# Altium PCB SHM.PcbDoc (part 2 of 3)
Units mil, origin at the board's own origin, x right, y up, seen from the top; angles counter-clockwise.
Board outline 4470 x 4125 mil, 4 copper layers (Top Layer, Ground plane, Power plane, Bottom Layer), stack 23.756 mil thick; 156 components, 117 nets, 776 pads, 684 vias.
Unrouted connection lines stored in the file: 45.
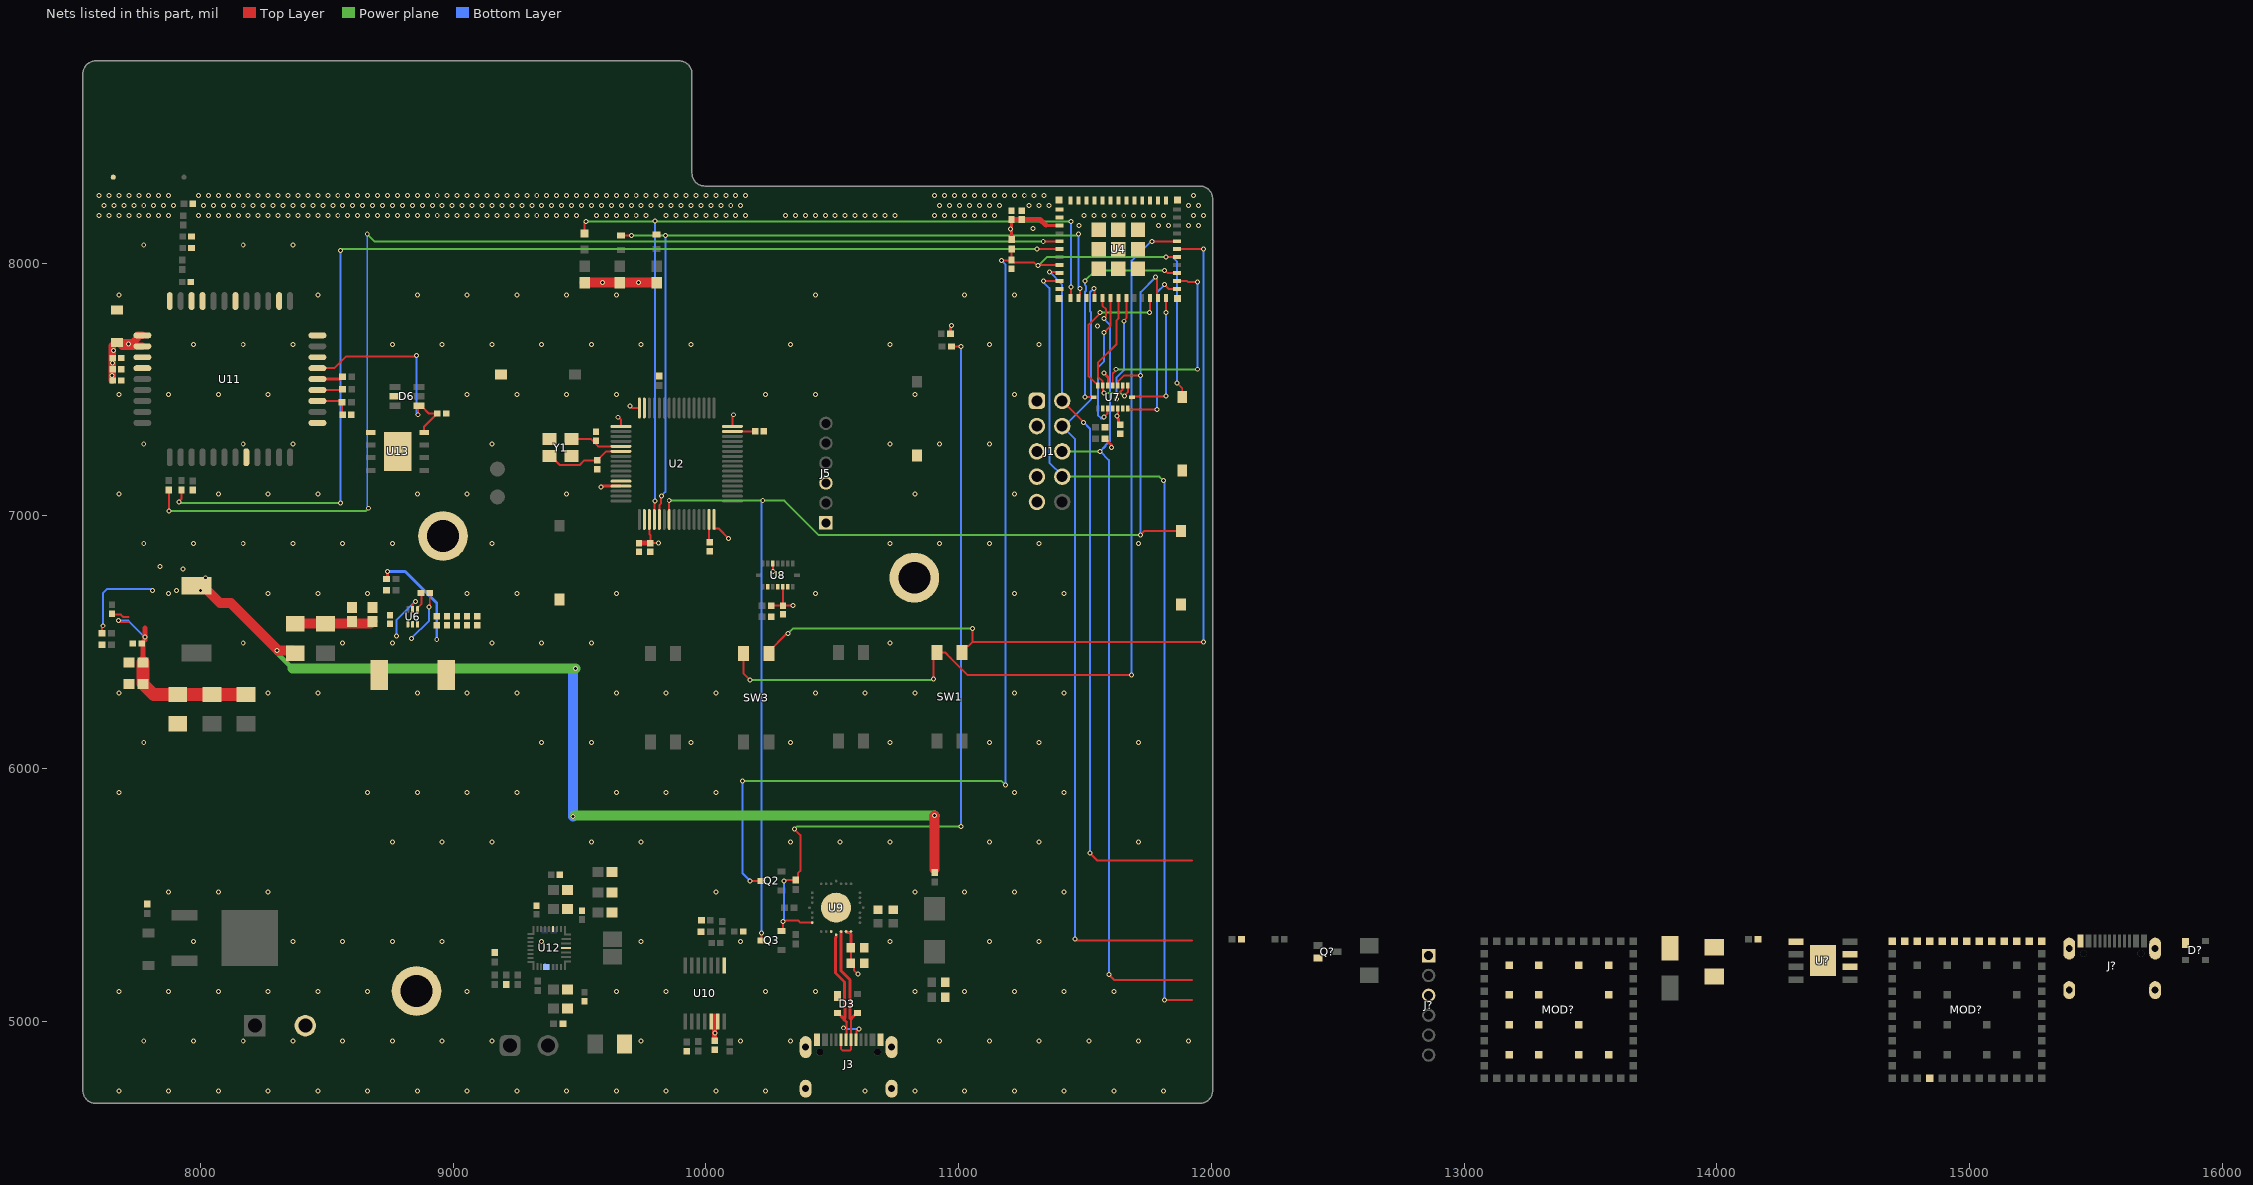
[diagram p4: the nets of this part, all layers, seen from the top]

## Part data
C10 C16 C17 C26 C28 C29 C34 C37 C38 C39 C44 C45 C46 C51 C56 C59 C60 C61 C62 C63 C68: library part CMP-1662-00020-1, LCSC_PN=C77020, ComponentLink1Description="Manufacturer URL", ComponentLink1URL=http://www.murata.com/, ComponentLink2Description=Datasheet, ComponentLink2URL=http://psearch.en.murata.com/capacitor/product/GRM155R60J105KE19%23.pdf
C11 C30 C31 C32 C33 C50 C65: library part CMP-1662-00020-1, LCSC_PN=C77000, ComponentLink1Description="Manufacturer URL", ComponentLink1URL=http://www.murata.com/, ComponentLink2Description=Datasheet, ComponentLink2URL=http://psearch.en.murata.com/capacitor/product/GRM155R60J105KE19%23.pdf
C13 C14: library part CMP-1662-00020-1, LCSC_PN=C513681, ComponentLink1Description="Manufacturer URL", ComponentLink1URL=http://www.murata.com/, ComponentLink2Description=Datasheet, ComponentLink2URL=http://psearch.en.murata.com/capacitor/product/GRM155R60J105KE19%23.pdf
C15 C27 C49: library part CMP-1662-00020-1, LCSC_PN=C77009, ComponentLink1Description="Manufacturer URL", ComponentLink1URL=http://www.murata.com/, ComponentLink2Description=Datasheet, ComponentLink2URL=http://psearch.en.murata.com/capacitor/product/GRM155R60J105KE19%23.pdf
C18: library part CMP-1662-00020-1, LCSC_PN=C60133, ComponentLink1Description="Manufacturer URL", ComponentLink1URL=http://www.murata.com/, ComponentLink2Description=Datasheet, ComponentLink2URL=http://psearch.en.murata.com/capacitor/product/GRM155R60J105KE19%23.pdf
C24 C25 C35 C36 C53 C54 C55 C57 C58 C70 C71: library part CMP-06035-022879-1, LCSC_PN=C91606
C40 C43 C48: library part CMP-121364-8, "10uF 0603 X5R 6.3V", Capacitance=10uF, Dielectric carachteristic=X5R, LCSC_PN=C91606, Package=0603, Rated voltage=6v3
C41 C42 C47: library part CMP-c41a0d2b65641bdd-3, Capacitance="100 nF", Dielectric Characteristic=X7R, LCSC_PN=C113803, Manufacturar Part Number=CC0603KRX7R0BB104, Package=0603, Rated voltage=100V
C52 C67: library part CMP-1662-00020-1, LCSC_PN=C33149, ComponentLink1Description="Manufacturer URL", ComponentLink1URL=http://www.murata.com/, ComponentLink2Description=Datasheet, ComponentLink2URL=http://psearch.en.murata.com/capacitor/product/GRM155R60J105KE19%23.pdf
C64 C69: library part CMP-1662-00020-1, LCSC_PN=C272875, ComponentLink1Description="Manufacturer URL", ComponentLink1URL=http://www.murata.com/, ComponentLink2Description=Datasheet, ComponentLink2URL=http://psearch.en.murata.com/capacitor/product/GRM155R60J105KE19%23.pdf
C66: library part CMP-1662-00020-1, LCSC_PN=C106205, ComponentLink1Description="Manufacturer URL", ComponentLink1URL=http://www.murata.com/, ComponentLink2Description=Datasheet, ComponentLink2URL=http://psearch.en.murata.com/capacitor/product/GRM155R60J105KE19%23.pdf
C?: library part CMP-1662-00011-2, "Chip Capacitor, 100 uF, +/- 20%, 6.3 V, -55 to 85 degC, 1206 (3216 Metric), RoHS, Tape and Reel", Capacitance="100 uF", Case Code (Imperial)=1206, Case Code (Metric)=3216, LCSC_PN=C77085, Max Operating Temperature="85 degC", Min Operating Temperature="-55 degC", Package Quantity=2000, PartNumber=GRM31CR60J107ME39L, Tolerance=20%, Type (Capacitors)=X5R, Voltage Rating="6.3 V", Case\/Package=1206, ComponentLink1Description="Manufacturer URL", ComponentLink1URL=http://www.murata.com/, ComponentLink2Description=Datasheet, ComponentLink2URL=http://psearch.en.murata.com/capacitor/product/GRM31CR60J107ME39%23.pdf, DatasheetVersion=09/2016, Height="1.6 mm", Length="3.2 mm", Mount="Surface Mount", Mounting Technology="Surface Mount", PackageDescription="2-Pin Surface Mount Device, Body 3.2 x 1.6 mm", PackageReference=1206, Packaging="Tape and Reel", Pins=2, Radiation Hardening=No, REACH SVHC="No SVHC", RoHSCompliant=true, Voltage Rating (DC)="6.3 V", Width="1.6 mm"
D2: library part CMP-1060-00410-1, "Zener Voltage Regulator, 500 mW, 2-Pin SOD-123, Pb-Free, Tape and Reel", LCSC_PN=C236094, Manufacturer="On Semiconductor", ComponentLink1Description="Manufacturer URL", ComponentLink1URL=http://www.onsemi.com/, ComponentLink2Description=Datasheet, ComponentLink2URL=http://www.onsemi.com/pub_link/Collateral/MMSZ2V4T1-D.PDF, ComponentLink3Description="Package Specification", ComponentLink3URL=http://www.onsemi.com/pub_link/Collateral/425-04.PDF, DatasheetVersion="Rev. 11", Mounting Technology="Surface Mount", P Max (W)=0.5, PackageDescription="2-Pin SOD, Body 1.6 x 2.69 mm", PackageReference=SOD-123-2-425-04, PackageVersion="Rev. G, 10/2009", Packing="Tape and Reel", PartNumber=MMSZ10T1G, RoHS=Pb-Free
D3 D?: library part CMP-14436-000007-1, "TVS DIODE 5.5V SOT143B", LCSC_PN=C12333
D4: "Diode", LCSC_PN=C47524, Manufacturer_Name="SMC Diode Solutions", Datasheet Link=http://www.smc-diodes.com/propdf/S3AB-S3MB%20N0563%20REV.B.pdf, Height=2.6mm, Manufacturer_Part_Number=S3MBTR
D5: library part CMP-1060-00573-1, "Zener Voltage Regulator, 500 mW, 2-Pin SOD-123, Pb-Free, Tape and Reel", LCSC_PN=C2759896, Manufacturer="On Semiconductor", ComponentLink1Description="Manufacturer URL", ComponentLink1URL=http://www.onsemi.com/, ComponentLink2Description=Datasheet, ComponentLink2URL=http://www.onsemi.com/pub_link/Collateral/MMSZ5221BT1-D.PDF, ComponentLink3Description="Package Specification", ComponentLink3URL=http://www.onsemi.com/pub_link/Collateral/425-04.PDF, DatasheetVersion="Rev. 12", Mounting Technology="Surface Mount", P Max (W)=0.5, PackageDescription="2-Pin SOD, Body 1.6 x 2.69 mm", PackageReference=SOD-123-2-425-04, PackageVersion="Rev. G, 10/2009", Packing="Tape and Reel", PartNumber=MMSZ5231BT1G, RoHS=Pb-Free, VZ Typ (V)=5.1
D6: library part CMP-924f5b40f9684d88-1, "ESDA Series 5 Channel 6.1 V 50 pF SMT Uni Directional Transil Array - SOT-23-6L", Breakdown Voltage="7.20 V", Case/Package=SOT-23, LCSC_PN=C6650, Operating Voltage="6.10 V", Power Rating="100 W", Lead-Free Status="Lead Free", Lifecycle Status=Active, Manufacturer Part Number=ESDA6V1-5SC6, Mounting Style="Surface Mount", Number of Pins=6, Octopart URL=http://octopart.com/esda6v1-5sc6-stmicroelectronics-347713, OctopartID=924f5b40f9684d88, Packaging="Tape & Reel (TR), Cut Tape (CT)", REACH SVHC Compliance="No SVHC", RoHS=Compliant, Size-Height="1.45 mm", Size-Length="3.05 mm", Size-Width="1.75 mm", TME=ESDA6V1-5SC6, Voltage Rating (DC)="6.10 V"
D?: library part CMP-1667-00003-3, "DIODE SCHOTTKY 40V 3A SMA", Average Rectified Current=3A, Capacitance=250pF, Case/Package=SMA, Forward Voltage=500mV, Max Forward Surge Current (Ifsm)=80A, Max Operating Temperature=125°C, Max Repetitive Reverse Voltage (Vrrm)=40V, Max Reverse Current=500uA, Min Operating Temperature=-55°C, Package Quantity=5000, Contact Plating=Tin, Current=3A, Current Rating=3A, Element Configuration=Single, Forward Current=3A, Height=2.3mm, Lead Free="Lead Free", Length=4.6mm, Max Reverse Voltage (DC)=40V, Mount="Surface Mount", Number of Pins=2, Output Current=3A, Packaging="Tape and Reel", Peak Non-Repetitive Surge Current=80A, Polarity=Standard, Radiation Hardening=No, REACH SVHC="No SVHC", RoHS Compliant=Yes, Series=-, Termination=SMD/SMT, Voltage=40V, Voltage Rating (DC)=40V, Weight=0.002258oz, Width=2.92mm
J1: library part CMP-1502-01084-2, Color=Black, Contact Resistance=20mΩ, Current Rating=3A, Flammability Rating="UL94 V-0", Insulation Resistance=1GΩ, LCSC_PN=C7501289, Max Operating Temperature=105°C, Min Operating Temperature=-40°C, Operating Supply Voltage=250V, Connector Type="Male Pin", Contact Gender=Male, Contact Material=Copper, Contact Mating Length=5.9944mm, Contact Plating=Gold, Gender=Male, Height=2.54mm, Housing Material=PBT, Insulation=Insulated, Lead Pitch=2.54mm, Length=12.7mm, Mount="Through Hole", NexarPartId=18818163, Number of Contacts=10, Number of Pins=10, Number of Positions=10, Number of Rows=2, Orientation=Vertical, Packaging=Bulk, Pitch=2.54mm, REACH SVHC=Unknown, RoHS=Compliant, Row Spacing=2.54mm, Termination="Through Hole", Voltage Rating=250V, Width=12.7mm
J2: library part CMP-09399-000010-1, "TERM BLOCK HDR 2POS 90DEG 5.08MM", Color=Grey, Current=15A, Current Rating=12A, Flammability Rating="UL94 V-0", Housing Color=Green, LCSC_PN=C90074, Package Quantity=50, Voltage=300V, Voltage Rating=250V, Voltage Rating (DC)=320V, Approvals=UL, Connector Type=Plug, Contact Material=Tin, Contact Plating=Tin, Depth=12mm, Gender=Male, Height=12.08mm, Housing Material=PBT, Lead Free="Lead Free", Length=12.16mm, Max Current Rating=12A, Mount="Through Hole", Number of Contacts=2, Number of Levels=1, Number of Poles=2, Number of Positions=2, Number of Positions Per Level=2, Number of Rows=1, Orientation="Right Angle", Packaging=Bulk, Pitch=5.08mm, REACH SVHC="No SVHC", RoHS Compliant=Yes, Series=MSTBA, Termination=Solder, Weight=5.396916oz, Width=12.1mm
J3 J?: BOM_JLCPCB Part Class="Extended Part", BOM_Manufacturer="XKB Enterprise", LCSC_PN=C319148, BOM_Manufacturer Part=U262-16XN-4BVC11, BOM_Supplier=LCSC, BOM_Supplier Part=C319148, Contributor=LCSC, spicePre=U, spiceSymbolName=U262-16XN-4BVC11
J4: library part CMP-1502-01886-2, Color=Green, Current=10A, LCSC_PN=C5188157, Max Operating Temperature=105°C, Min Operating Temperature=-40°C, Voltage=300V, Contact Material=Brass, Contact Plating=Tin, Current Rating=10A, Gender=Male, Height=7.2mm, Lead Pitch=3.81mm, Length=10.5mm, Mount="Through Hole", NexarPartId=8917777, Number of Contacts=2, Number of Levels=1, Number of Pins=2, Number of Positions Per Level=2, Number of Rows=1, Packaging=Box, Pitch=3.81mm, REACH SVHC=Unknown, RoHS=Compliant, Termination=Solder, Voltage Rating=300V, Width=9.01mm
J5 J?: "Connector", Arrow Part Number="B6B-PH-K-S (LF)(SN)", LCSC_PN=C131342, Manufacturer_Name="JST (JAPAN SOLDERLESS TERMINALS)", Arrow Price/Stock=https://www.arrow.com/en/products/b6b-ph-k-s-lf-sn/jst-manufacturing, Datasheet Link=https://www.jst-mfg.com/product/pdf/eng/ePH.pdf, Height=6mm, Manufacturer_Part_Number="B6B-PH-K-S (LF)(SN)"
L2: library part CMP-06042-006799-1, "3.45A 4.7uH ±20% SMD,8x8mm Power Inductors ROHS", Case/Package=SMD/SMT, Current Rating=6.8A, DC Resistance (DCR)=14.4mR, Inductance=3.3uH, LCSC_PN=C514864, Resistor Type=Wirewound, Saturation Current=7.7A, Test Frequency=100kHz, Tolerance=30%, Core Material=Ferrite, Height - Seated (Max)=0.177inch, Length=0.315inch, Max DC Current=6.8A, Mount="Surface Mount", Number of Pins=2, Packaging="Tape and Reel", Shielding=Shielded, Width=0.315inch
L3: library part CMP-06042-006799-1, "Shielded Wirewound Inductor 3.3uH 30% 6800mA 0.0144Ω SMD", Case/Package=SMD/SMT, Current Rating=6.8A, DC Resistance (DCR)=14.4mR, Inductance=3.3uH, LCSC_PN=C514864, Resistor Type=Wirewound, Saturation Current=7.7A, Test Frequency=100kHz, Tolerance=30%, Core Material=Ferrite, Height - Seated (Max)=0.177inch, Length=0.315inch, Max DC Current=6.8A, Mount="Surface Mount", Number of Pins=2, Packaging="Tape and Reel", Shielding=Shielded, Width=0.315inch
L4: library part CMP-06042-011635-1, "Shielded Wirewound Inductor 1uH 20% 2900mA 0.048Ω 0806 (2016)", Inductance=1uH, LCSC_PN=C521238
LED1: library part CMP-1666-00027-1, "LED, RED, 2.1 V, -40 to 100 degC, 2-Pin SMD (0603), RoHS, Tape and Reel", Capacitance="12 pF", Case Code (Imperial)=0603, Case Code (Metric)=1608, LCSC_PN=C510294, Max Operating Temperature=125degC, Min Operating Temperature=-55degC, Package Quantity=4000, Resistance="100000000000 Ohm", Tolerance=5%, Type (Capacitors)=C0G, Voltage Rating="50 V", Case/Package=0603, ComponentLink1Description="Manufacturer URL", ComponentLink1URL=http://www.vishay.com/, ComponentLink2Description=Datasheet, ComponentLink2URL=http://www.vishay.com/docs/83173/tlmb1100.pdf, DatasheetVersion="Rev. 2.7, 03/2016", Height="0.8 mm", Length="1.6 mm", Mount="Surface Mount", PackageDescription="2-Pin Surface Mount Device, Body 1.6 x 0.8 mm", PackageReference=TLMX1100, Packaging="Tape and Reel", Pins=2, Radiation Hardening=No, REACH SVHC="No SVHC", RoHSCompliant=True, Voltage Rating (DC)="50 V", Width="0.8 mm"
LED2: library part CMP-1666-00028-1, "Blue LED, 10 mA, 3.9 V, -40 to 100 degC, 2-Pin SMD (0603), RoHS, Tape and Reel", Capacitance="10 nF", Case\Package=Radial, LCSC_PN=C965853, Max Operating Temperature="125 degC", Min Operating Temperature="-55 degC", Package Quantity=500, Tolerance=10%, Type (Capacitors)=X7R, Voltage Rating="100 V", ComponentLink1Description="Manufacturer URL", ComponentLink1URL=http://www.vishay.com/, ComponentLink2Description=Datasheet, ComponentLink2URL=http://download.siliconexpert.com/pdfs/2016/8/7/12/43/26/667/vsh_/manual/379263299541529tlmb1100.pdf, DatasheetVersion="Rev. 2.7, 03/2016", Height="2.54 mm", Lead Pitch="2.54 mm", Length="5.33 mm", Mount="Through Hole", PackageDescription="2-Pin Surface Mount Device, Body 1.6 x 0.8 mm", PackageReference=0603, Packaging=Bulk, Pins=2, Radiation Hardening=No, REACH SVHC="No SVHC", RoHSCompliant=true, Width="3.81 mm"
LED3: library part CMP-1426-00006-6, Case Code (Imperial)=0603, Case Code (Metric)=1608, Color=Green, Forward Current=100mA, Forward Voltage=2V, LCSC_PN=C2837819, Max Junction Temperature (Tj)=95°C, Max Operating Temperature=85°C, Max Reverse Voltage (DC)=5V, Min Operating Temperature=-40°C, Power Dissipation=72mW, Test Current=20mA, Case/Package=0603, Dominant Wavelength=570nm, Height=700µm, Length=1.6mm, Lens Style="Clear, Rectangular", Luminous Intensity=40mcd, Mount="Surface Mount", NexarPartId=29717778, Number of Pins=2, Packaging="Tape and Reel", Peak Wavelength=572nm, REACH SVHC=Unknown, Reverse Voltage=5V, RoHS=Compliant, Viewing Angle=140°, Wavelength=570nm, Width=800µm
MOD? MOD?: "Module, Sera NX040, UWB, MHF4L"
Q1: "MOSFET (P-Channel)", LCSC_PN=C177034, Manufacturer_Name="Diodes Incorporated", Mouser Part Number=621-DMP10H400SK3-13, Arrow Part Number=DMP10H400SK3-13, Arrow Price/Stock=https://www.arrow.com/en/products/dmp10h400sk3-13/diodes-incorporated?region=nac, Datasheet Link=https://www.diodes.com//assets/Datasheets/DMP10H400SK3.pdf, Height=2.52mm, Manufacturer_Part_Number=DMP10H400SK3-13, Mouser Price/Stock=https://www.mouser.co.uk/ProductDetail/Diodes-Incorporated/DMP10H400SK3-13?qs=wo71MgyKIyFqONaMc85PEA%3D%3D
Q2 Q3: library part CMP-20235-000001-1, "NPN TRANSISTOR 1.5A 40V SOT-23 R", Case/Package=TO-236-3, Collector Emitter Breakdown Voltage=25V, Collector Emitter Voltage (VCEO)=400mV, LCSC_PN=C164886, Max Collector Current=1.5A, Max Power Dissipation=300mW, Transition Frequency=100MHz, Max Breakdown Voltage=25V, Mount="Surface Mount", Packaging="Tape and Reel", RoHS Compliant=Yes
Q?: library part CMP-2000-05968-1, "N-Channel Enhancement Mode Mosfet, 50 V, 200 mA, -55 to 150 degC, 6-Pin SOT-323, RoHS, Tape and Reel", Id - Continuous Drain Current=200mA, LCSC_PN=C24553, Manufacturer=DiodesIncorporated, Maximum Operating Temperature=+150C, Minimum Operating Temperature=-55C, Package / Case=SOT-323-3, Package Description="3-Pin Small Outline Transistor, Body 2 x 1.25 mm, Pitch 0.65 mm", Package Reference=SOT323, Pd - Power Dissipation=200mW, Rds On - Drain-Source Resistance=1.4Ohms, Vds - Drain-Source Breakdown Voltage=75V, Vgs - Gate-Source Voltage=20V, Brand=DiodesIncorporated, Channel Mode=Enhancement, Configuration=Single, Datasheet URL=http://www.diodes.com/_files/datasheets/ds30206.pdf, Datasheet Version="Rev. 11-2, 09/2013", Factory Pack Quantity=3000, Forward Transconductance - Min=0.1S, Height=1mm, Length=2.2mm, Manufacturer URL=http://www.diodes.com/, Mounting Style=SMD/SMT, Mounting Technology=SurfaceMount, Number Of Channels=1Channel, Packaging=Reel, Product=MOSFETSmallSignal, Product Category=MOSFET, RoHS=True, Series=BSS138, Technology=Si, Transistor Polarity=N-Channel, Transistor Type=1N-Channel, Type=EnhancementModeFieldEffectTransistor, Typical Turn-Off Delay Time=20ns, Typical Turn-On Delay Time=20ns, Unit Weight=0.000212oz, Width=1.35mm
R1 R2 R3: library part CMP-4716590-9, "10K 0603 0.1W 1%", LCSC_PN=C22548, Package=0603, Resistance=1k, Tolerance=1%, Octopart URL=https://octopart.com/crcw060310k0fkeahp-vishay-42634028
R7 R18 R22 R?: library part CMP-2002-07472-1, LCSC_PN=C149896
R13 R14 R19 R28 R30 R32 R38 R39 R41 R46 R52 R?: library part CMP-2002-07472-1, LCSC_PN=C190095
R15 R16 R17 R20 R21 R?: library part CMP-0abdc173b10ad57a-1, Case/Package=1206, LCSC_PN=C108081, Manufacturer Part Number=WSLP12065L000FEA, Manufacturer Part Number 2=FMF06FTHR005-LHL, Power=1W, Resistance=0,002, Lifecycle Status="Not Listed by Manufacturer", Octopart URL=https://octopart.com/1-2176055-0-te+connectivity-46440145, OctopartID=0abdc173b10ad57a, OrderingCode=WSLP12065L000FEA, Packaging="Tape & Reel (TR)"
R23 R24 R25 R26 R27 R40 R44 R45: library part CMP-2002-07472-1, LCSC_PN=C60485
R29 R47: library part CMP-2002-07472-1, LCSC_PN=C60491
R31 R33 R35 R?: library part CMP-2002-07472-1, LCSC_PN=C106235
R34 R37 R48 R49 R50 R51: library part CMP-2002-07472-1, LCSC_PN=C106233
R36: library part CMP-0abdc173b10ad57a-1, "0.002R 1206 0.5W 1%", Case/Package=1206, LCSC_PN=C723507, Manufacturer Part Number=WSLP12065L000FEA, Manufacturer Part Number 2=FMF06FTHR005-LHL, Power=1W, Resistance=0,005, Lifecycle Status="Not Listed by Manufacturer", Octopart URL=https://octopart.com/1-2176055-0-te+connectivity-46440145, OctopartID=0abdc173b10ad57a, OrderingCode=WSLP12065L000FEA, Packaging="Tape & Reel (TR)"
R42 R53: library part CMP-2002-07472-1, LCSC_PN=C851231
R43: library part CMP-2002-07472-1, LCSC_PN=C138061
RF_PCB1: library part CMP-e704afk8c25r4a5ypw1c-12, "GSM900 and GSM1800  Frequency Bands PCB antenna", CustomComponentID=e704afk8c25r4a5ypw1c
SW1 SW2 SW3 SW4: "Switch", LCSC_PN=C489174, Manufacturer_Name="XKB Connectivity", Datasheet Link=http://www.helloxkb.com/public/images/pdf/DSICXXLS-X.pdf, Height=3.76mm, Manufacturer_Part_Number=DSIC02LS-P
SW5 SW6 SW7 SW8 SW9: "Switch", LCSC_PN=C318938, Manufacturer_Name="XKB Connectivity", Datasheet Link=http://www.helloxkb.com/public/images/pdf/TS-1101-X-X.pdf, Height=2.6mm, Manufacturer_Part_Number=TS-1101-C-W
TP3 TP4: library part TP_SMD_Ø1.5MM, "1.5mm circular SMD testpad", Manufacturer="Nordic Semiconductor", Manufacturer Part Number=N.A., Artikkelnr Noca=N.A., Author=rsk, Component Class=Connectors, ComponentLink1Description=Datasheet, ComponentLink1URL=N.A., ComponentLink2Description="Supplier link", ComponentLink2URL=N.A., Footprint Doc=TP_SMD_Ø1.5mm, HelpURL=N.A., LatestRevisionDate=2021-03-05, Note=N.A., Pad Count=1, Part Number=TP_SMD_Ø1.5MM, Part number IPS=N.A., Part number Norautron=N.A., PartId=100500477, Pin Count=1, Published=2016-06-02, Publisher="Nordic Semiconductor", Supplier 1=N.A., Supplier 2=N.A., Supplier Part Number 1=N.A., Supplier Part Number 2=N.A.
U2: library part CMP-0243-00019-3, "ARM Cortex-M4 32-bit MCU+FPU, 210 DMIPS, 1024 kB Flash, 192 kB Internal RAM, 51 I/Os, 64-pin LQFP, -40 to 85 degC, Tray", I/Os (High Current)=51, LCSC_PN=C15742, Manufacturer=STMicroelectronics, Operating Frequency(F) (Processor speed) (MHz)=168, Supply Voltage(Vcc) max (V)=3.6, Supply Voltage(Vcc) min (V)=1.8, ComponentLink1Description="Manufacturer URL", ComponentLink1URL=http://www.st.com/web/en/home.html, ComponentLink2Description=Datasheet, ComponentLink2URL=http://www.st.com/st-web-ui/static/active/en/resource/technical/document/datasheet/DM00037051.pdf, ComponentLink3Description="Package Specification", ComponentLink3URL=http://www.st.com/st-web-ui/static/active/en/resource/technical/document/datasheet/DM00037051.pdf, Core="ARM Cortex-M4", D/A Converter=2x12-bit, DatasheetVersion="Rev. 4", FLASH Size (Prog) (kB)=1024, Internal RAM Size (kB)=192, Mounting Technology="Surface Mount", PackageDescription="64-Pin Low Profile Quad Flat Package, 10 x 10 mm Body, 0.5 mm Pitch", PackageReference=LQFP64, PackageVersion="Rev. 4, 06/2013", Packing=Tray, PartNumber=STM32F405RGT6
U4: "Integrated Circuit", LCSC_PN=C5736265, Manufacturer_Name="Espressif Systems", Mouser Part Number=356-ESP32C6MINI-1-N4, Datasheet Link=https://www.espressif.com/sites/default/files/documentation/esp32-c6-mini-1_mini-1u_datasheet_en.pdf, Manufacturer_Part_Number=ESP32-C6-MINI-1-N4, Mouser Price/Stock=https://www.mouser.co.uk/ProductDetail/Espressif-Systems/ESP32-C6-MINI-1-N4?qs=Jm2GQyTW%2FbjiJX9bVadqSw%3D%3D
U6: library part CMP-04918-000435-1, "POWER MANAGEMENT", LCSC_PN=C779412
U7 U8: "High-performance 6-axis inertial sensor (accelerometer + gyroscope) <a href=\"https://pricing.snapeda.com/parts/BMI088/Bosch%20Sensortec/view-part?ref=eda\">Check prices</a>", LCSC_PN=C194919, Package=None, Availability=Unavailable, MP=BMI088, Price=None
U9: library part CMP-08093-000007-1, "IC USB TO UART BRIDGE QFN28", LCSC_PN=C964632
U10: library part CMP-04911-000003-1, "IC BATT MON MULTICELL 14TSSOP", Ambient Temperature Range High=+85°C, Ambient Temperature Range Low=-40°C, LCSC_PN=C2877075, Manufacturer="Texas Instruments", Max Junction Temp=+100°C, Max Supply Voltage=4.5V, Min Supply Voltage=2.45V, Nominal Supply Current=133uA, Package=PW0014A, Temperature="-40°C to +85°C", Automotive=No, Category=IC, ComponentLink2Description=Datasheet, ComponentLink2URL=https://www.ti.com/lit/ds/symlink/bq34110.pdf, Device Class L1="Integrated Circuits (ICs)", Device Class L2="Power Management ICs", Device Class L3="Battery Management", Digikey Description="IC BATT MON MULTICELL 14TSSOP", Height=1.2mm, Lead Free=Yes, Manufacturer Part Number=BQ34110PWR, Mouser Description="Multi-Chemistry High-Cell Count Battery Fuel Gauge With Integrated Rarely Discharged Module 14-TSSOP -40 to 85", Number Of Cells=4, Number of Outputs=2, Octopart=https://octopart.com/bq34110pwr-texas+instruments-75529711, RoHS=TRUE, Standoff Height=0.05mm, Temperature Range High=+85°C, Temperature Range Low=-40°C